# KiCad board poly_kb_wave_right2.kicad_pcb (continued)
## Routing (per net, layer and track width the routed paths; a pad name or vN(x,y) marks a point on that pad's centre or on a via; arc(x,y) is an arc through that point) (continued)
  Bottom w0.229: v2(4.87,73.78) 4.89,73.8 USB2.10 USB2.9 ; v2(4.87,70.38) 4.95,70.3 USB2.3 USB2.4 ; v3(23.46,101.67) 22.75,101.67 U10.19 22.75,98.35 v3(22.94,98.16) ; U9.4 28.53,109.27 v3(27.75,110.06)
  Bottom w0.254: v2(13.17,79.33) 12.2,78.83 12.2,78.22 J37.11 12.62,77.06 12.36,76.59 v2(11.68,76.33)
  Bottom w0.3: v2(116.31,79.43) 116.34,79.46 J19.1 ; v2(92.94,102.39) 92.97,102.36 C3_11.2 ; J4.1 97.29,119.94 v2(97.26,119.91) ; v2(131.04,78.57) 131.07,78.55 C3_20.2 131.07,76.82 v2(131.05,76.8) ; v2(111.1,120.7) 110.59,121.22 U18.3 ; v2(97.26,62.76) 97.29,62.79 J25.1 ; v2(58.59,120.69) 58.57,120.67 U13.3 57.02,120.67 56.8,120.89 56.8,121.9 56.88,121.97 U13.1 ; v2(152.9,85.95) 152.15,86.7 150.41,86.7 U5.17 ; v2(111.26,80.2) 112.01,80.2 C3_19.2 ; 75.6,124.24 75.6,123.92 75.93,123.59 U16.3 ; 75.6,124.24 v2(75.6,124.7) 75.8,124.89 U16.1 ; 75.6,124.24 74.33,124.24 ; v3(91.43,23.31) 91.48,23.25 93.4,23.25 v2(93.55,23.41) ; J31.1 42.44,29.68 v2(42.42,29.69) ; v2(111.41,99.49) 111.77,99.49 C3_12.2 ; C4_27.2 145.56,58.81 146.27,59.51 C1_27.2 147.04,59.53 v2(147.68,60.16) ; C3_22.2 32.75,51.45 v2(33.06,51.77) ; U14.3 50.31,120.67 v2(50.3,120.68) 50.3,121.7 50.57,121.97 U14.1 ; v2(154.85,97.63) 154.88,97.6 C3_14.2 ; 128.3,124 v2(129.4,124) ; 128.3,124 128.3,123.43 127.96,123.08 U20.3 ; 128.3,124 128.3,124.19 128.11,124.38 U20.1 ; J9.1 59.19,96.13 v2(59.16,96.1) ; J28.1 159.2,58.03 v2(159.17,58) ; C3_23.2 54.87,59.5 v2(54.84,59.53) ; v2(130.55,97.11) 130.8,96.86 C3_13.2 ; v2(52.43,117.31) 51.79,116.68 C1_1.2 51.02,116.66 50.31,115.96 C4_1.2 ; 117.01,124.41 117.01,123.81 116.28,123.08 U21.3 ; 117.01,124.41 116.99,124.38 U21.1 ; 117.01,124.41 v2(117.01,125) ; C2_16.2 55.86,80.62 v2(55.86,81.5) ; v1(86.13,117.58) 86.59,117.12 C1_3.2 88.89,118.08 88.89,118.6 ; C4_17.2 88.41,80.24 89.12,80.94 C1_17.2 89.89,80.96 v2(90.53,81.59) ; v2(90.53,100.64) 89.89,100.01 C1_10.2 89.12,99.99 88.41,99.29 C4_10.2 ; v2(135.36,58) 135.39,58.03 J27.1 ; v2(132.06,100.55) 132.06,99.67 C2_13.2 ; C4_26.2 126.51,61.19 127.22,61.89 C1_26.2 127.99,61.91 v2(128.63,62.54) ; v2(151.11,43.4) 151.11,42.52 C2_36.2 ; C4_9.2 69.36,96.91 70.07,97.61 C1_9.2 70.84,97.63 v2(71.48,98.26) ; v3(149.8,104.03) 149.86,104.09 149.86,106 149.55,106.31 v2(148.9,106.31) ; 103.61,23.21 102.8,23.21 v3(102.73,23.28) ; v2(111.99,119.06) 112.02,119.03 C3_5.2 ; v2(38.52,33.09) 38.73,32.24 C2_31.2 ; v2(146.47,119.92) 146.4,119.99 U22.3 147.03,121.05 147.1,121.13 147.1,122.28 147.03,122.35 U22.1 ; C2_25.2 93.96,66.33 v2(93.96,67.21) ; C3_1.2 35.82,116.65 v2(35.79,116.68) ; v2(171.49,117.64) 170.85,117 C1_7.2 170.08,116.99 169.38,116.29 C4_7.2 ; C4_5.2 126.51,118.34 127.22,119.04 C1_5.2 127.99,119.06 v2(128.63,119.69) ; v2(36.64,51.36) 36.67,51.4 J22.1 ; v2(132.06,43.4) 132.06,42.52 C2_35.2 ; C3_9.2 54.87,97.6 v2(54.84,97.63) ; C4_21.2 169.38,77.86 170.08,78.56 C1_21.2 170.85,78.58 v2(171.49,79.21) ; J17.1 78.24,79.46 v2(78.21,79.43) ; C2_24.2 74.91,63.95 v2(74.91,64.83) ; v2(113.01,45.78) 113.01,44.9 C2_34.2 ; v3(21.37,23.88) 21.37,23.27 J30.1 21.28,22.88 v2(20.52,22.88) ; J20.1 135.39,77.08 v2(135.36,77.05) ; C3_15.2 35.82,78.55 v2(35.79,78.58) ; C2_12.2 113.01,102.05 v2(113.01,102.93) ; J7.1 159.2,115.51 v2(159.17,115.48) ; v2(166.73,41.11) 166.09,40.48 C1_36.2 165.32,40.46 164.61,39.76 C4_36.2 ; 78.7,98.51 78.24,98.51 v2(78.21,98.48) ; v2(116.31,117.53) 116.34,117.56 J5.1 ; v2(32.17,57.3) 33.05,56.43 C2_22.2 ; J36.1 154.44,38.98 v2(154.41,38.95) ; v2(111.35,61.09) 111.4,61.15 C3_26.2 ; v2(73.89,119.06) 73.92,119.03 C3_3.2 ; 88.89,118.6 88.89,119.74 89.08,119.94 U19.3 89.51,122.24 H5.1 ; 88.89,118.6 88.92,118.64 U19.1 ; v2(7.15,81.75) 6.93,81.75 R5.1 5.35,84.25 v2(4.7,84.91) ; C3_27.2 131.07,59.5 v2(131.04,59.53) ; v2(73.89,80.96) 73.92,80.93 C3_17.2 ; v2(59.16,58) 59.19,58.03 J23.1 ; J21.1 159.2,77.08 v2(159.17,77.05) ; v2(113.01,83.88) 113.01,83 C2_19.2 ; C3_28.2 154.88,59.5 v2(154.85,59.53) ; v2(97.26,100.86) 97.29,100.89 J11.1 ; J15.1 40.14,77.08 v2(40.11,77.05) ; U17.1 73.68,124.89 74.33,124.24 ; v2(52.43,79.21) 51.79,78.58 C1_15.2 51.02,78.56 50.31,77.86 C4_15.2 ; C34.2 C33.2 19.73,86.18 v2(20.81,86.18) ; 110.59,118.97 v2(110.53,118.91) ; v2(113.01,121.98) 113.01,121.1 C2_5.2 ; v2(54.84,78.58) 54.87,78.55 C3_16.2 ; J1.1 40.14,115.18 v2(40.11,115.15) ; J8.1 40.14,96.13 v2(40.11,96.1) ; C3_7.2 154.88,116.98 v2(154.85,117) ; J24.1 78.24,60.41 v2(78.21,60.38) ; v2(159.17,96.1) 159.2,96.13 J14.1 ; C4_32.2 76.39,35.45 77.03,36.21 C1_32.2 77.8,36.29 v2(78.37,36.98) ; v2(74.91,121.98) 74.91,121.1 C2_3.2 ; v2(111.34,42.08) 111.36,42.1 C3_34.2 ; C2_9.2 55.86,99.67 v2(55.86,100.55) ; C2_20.2 132.06,80.62 v2(132.06,81.5) ; v2(109.58,103.02) 108.94,102.39 C1_11.2 108.17,102.38 107.46,101.67 C4_11.2 ; C4_14.2 169.38,96.91 170.08,97.61 C1_14.2 170.85,97.63 v2(171.49,98.26) ; C3_33.2 92.97,45.21 v2(92.94,45.24) ; C4_24.2 88.41,61.19 89.12,61.89 C1_24.2 89.89,61.91 v2(90.53,62.54) ; U18.1 111.5,125.91 v2(112,125.41) ; C4_33.2 107.46,44.52 108.17,45.23 C1_33.2 108.94,45.24 v2(109.58,45.87) ; v2(36.81,119.6) 36.81,118.72 C2_1.2 ; C4_13.2 145.56,96.91 146.27,97.61 C1_13.2 147.04,97.63 v2(147.68,98.26) ; 116.8,41.36 116.34,41.36 v2(116.31,41.33) ; C4_3.2 89.7,108.52 v2(90.76,107.45) ; v2(21.04,114.24) 21.04,114.24 U11.3 U11.8 ; C4_22.2 46.84,54.42 47.36,55.27 C1_22.2 48.11,55.46 v2(48.58,56.23) ; J32.1 66.32,33.79 v2(66.29,33.76) ; v2(93.9,48.18) 93.94,48.14 C2_33.2 ; v2(61.86,34.9) 61.89,34.87 C3_32.2 ; v2(78.21,117.53) 78.24,117.56 J3.1 ; C4_2.2 69.36,115.96 70.07,116.66 C1_2.2 70.84,116.68 v2(71.48,117.31) ; v2(23.76,87.94) 24.8,86.89 R30.1 ; v2(69.33,120.66) 69.35,120.67 U12.3 ; C3_25.2 92.97,64.26 v2(92.94,64.29) ; C2_26.2 113.01,63.95 v2(113.01,64.83) ; v1(7.28,98.08) 8.73,98.08 9.1,97.7 R25.1 ; J6.1 135.39,115.18 v2(135.36,115.15) ; v2(132.06,119.6) 132.06,118.72 C2_6.2 ; C2_23.2 55.86,61.57 v2(55.86,62.45) ; U7.17 101.65,22.71 101.65,21.77 ; U24.1 154.76,121.97 154.91,121.82 154.91,120.81 154.77,120.67 U24.3 154.28,120.13 154.48,119.92 v2(155.87,119.92) 155.87,119.05 C2_7.2 ; C2_15.2 35.86,80.61 v2(35.84,80.63) ; v2(92.92,104.47) 92.98,104.42 C2_11.2 ; v2(148.5,69.25) 149.15,69.25 149.85,68.56 149.85,67.1 v3(149.78,67.03) ; v2(71.48,79.21) 70.84,78.58 C1_16.2 70.07,78.56 69.36,77.86 C4_16.2 ; R15.2 v2(17.8,112.6) ; 147.04,40.48 C1_35.2 146.27,40.46 145.56,39.76 C4_35.2 ; v2(116.31,98.48) 116.34,98.51 116.8,98.51 ; C2_32.2 62.68,37.89 v2(62.25,38.32) ; U6.17 150.35,65.95 153.25,65.95 v2(153.4,66.1) ; U10.57 21.75,102.35 22.44,101.67 v3(23.46,101.67) 23.46,101.71 24,102.25 24,102.95 23.95,103.01 U10.57 ; U25.1 158.14,121.97 158.79,121.32 v2(158.79,120.69) 158.77,120.67 U25.3 ; v2(135.36,96.1) 135.39,96.13 J13.1 ; v2(52.43,98.26) 51.79,97.63 C1_8.2 51.02,97.61 50.31,96.91 C4_8.2 ; v2(150.53,40.48) 150.12,40.06 C3_36.2 ; v2(97.26,81.81) 97.29,81.84 J18.1 ; v2(35.85,97.56) 35.82,97.53 C3_8.2 ; C4_4.2 107.46,120.72 108.17,121.43 C1_4.2 108.94,121.48 v2(109.53,122.07) ; v3(13.28,44.53) 13.28,43.9 J29.1 13.15,43.52 v2(12.51,43.52) ; v2(131.11,40.45) 131.07,40.41 C3_35.2 131.07,39.09 v2(131.4,38.75) ; C3_10.2 v2(73.1,99.25) ; v2(149.6,90.05) 149.91,89.75 149.91,87.86 v3(149.83,87.78) ; C3_6.2 131.04,115.94 v2(130.17,115.94) ; v2(116.31,60.38) 116.34,60.41 J26.1 ; v2(97.26,43.71) 97.29,43.74 J33.1 ; v2(55.86,119.6) 55.86,118.72 C2_2.2 ; 135.2,121.05 135.2,121.91 134.76,122.35 U23.1 ; 135.2,121.05 U23.3 ; 135.2,121.05 v2(135.2,119.91) ; v2(54.25,34.51) 53.78,33.75 C1_31.2 53.03,33.56 52.51,32.71 C4_31.2 ; v2(128.63,100.64) 127.99,100.01 C1_12.2 127.22,99.99 126.51,99.29 C4_12.2 ; C4_19.2 126.51,80.24 127.22,80.94 C1_19.2 127.99,80.96 v2(128.63,81.59) ; v2(155.87,62.45) 155.87,61.57 C2_28.2 ; v2(171.49,60.21) 170.85,59.57 C1_28.2 170.08,59.51 169.38,58.81 C4_28.2 ; v2(12.95,86.88) 12.71,86.64 C2.2 C32.1 13.78,86.46 v2(14.16,86.84) ; C2_21.2 155.87,80.62 v2(155.87,81.5) ; C3_30.2 16.52,22.86 v2(16.48,22.88) ; v2(155.87,100.57) 155.87,99.67 C2_14.2 ; v2(74.91,83.88) 74.91,83 C2_17.2 ; C2_27.2 132.06,61.57 v2(132.06,62.45) ; v2(135.36,38.95) 135.39,38.98 J35.1 ; v2(154.4,103.35) 154,102.96 150.36,102.96 U4.17 ; v2(71.48,60.16) 70.84,59.53 C1_23.2 70.07,59.51 69.36,58.81 C4_23.2 ; 90.35,21.81 90.35,22.75 U8.17 ; v2(59.16,77.05) 59.19,77.08 J16.1 ; H7.1 150.18,80.68 148.4,82.46 146.32,82.46 145.07,83.7 C1_20.2 ; C2_8.2 36.81,99.67 v2(36.81,100.55) ; C4_18.2 107.46,82.62 108.17,83.33 C1_18.2 108.94,83.34 v2(109.58,83.97) ; v2(23.79,49.82) 23.41,49.01 C1_29.2 22.69,48.73 22.27,47.83 C4_29.2 ; 74.33,124.24 73.68,123.59 U17.3 ; C3_4.2 93.25,116.58 v2(93.28,116.56) ; U15.1 37.7,121.97 37.6,121.87 37.6,121 37.94,120.67 U15.3 39.14,120.67 v2(39.16,120.69) ; C3_24.2 73.92,61.88 v2(73.89,61.91) ; C3_2.2 54.87,116.65 v2(54.84,116.68) ; v2(38.22,30.01) 38.25,29.99 C3_31.2 ; C4_25.2 107.46,63.57 108.17,64.28 C1_25.2 108.94,64.29 v2(109.58,64.92) ; C2_18.2 93.96,85.38 v2(93.96,86.26) ; J2.1 59.19,115.18 v2(59.16,115.15) ; v2(31.9,29.17) 31.52,28.35 C1_30.2 30.8,28.08 30.38,27.18 C4_30.2 ; v2(8.33,46.63) 8.63,45.8 C2_29.2 ; C2_10.2 74.91,102.05 v2(74.91,102.93) ; v2(8.37,43.54) 8.41,43.52 C3_29.2 ; v2(128.63,43.49) 127.99,42.86 C1_34.2 127.22,42.84 126.51,42.14 C4_34.2 ; v2(147.85,117.6) 147.04,116.79 C1_6.2 146.27,116.66 145.56,115.96 C4_6.2 ; v2(155.06,78.56) 154.88,78.38 C3_21.2 ; v2(16.44,25.97) 16.74,25.15 C2_30.2 ; v2(92.94,83.34) 92.97,83.31 C3_18.2 ; DBG3.1 180.63,73.32 180.63,73.78 180.5,73.91 180.5,78.9 180.63,79.03 180.63,81.58 180.5,81.71 180.5,86.7 180.63,86.83
  Bottom w0.4: C8.1 Y1.4 23.3,94.05 ; C8.1 v3(22.21,92.69) ; C8.1 23.97,92.69 v3(23.99,92.7) ; 25,95.75 Y1.2 25.3,97.16 24.63,97.16 C3.1
  Bottom w0.5: C4_25.2 106.16,62.83 v1(105.2,62.83) ; v1(124.25,98.55) 125.21,98.55 C4_12.2 ; v1(167.11,115.55) 168.08,115.55 C4_7.2 ; C4_8.2 49.01,96.16 v1(48.05,96.16) ; v1(167.11,58.07) 168.08,58.07 C4_28.2 ; C4_21.2 168.08,77.11 v1(167.11,77.11) ; v1(105.2,43.78) 106.16,43.78 C4_33.2 ; C4_16.2 68.06,77.11 v1(67.1,77.11) ; C4_34.2 125.21,41.4 v1(124.25,41.4) ; C4_29.2 21.3,46.69 v1(20.39,46.35) ; v1(15.45,115.16) 15.4,115.1 ; C4_17.2 87.11,79.5 v1(86.15,79.5) ; C4_26.2 125.21,60.45 v1(124.25,60.45) ; v1(48.05,77.11) 49.01,77.11 C4_15.2 ; v1(86.15,60.45) 87.11,60.45 C4_24.2 ; v1(124.25,79.5) 125.21,79.5 C4_19.2 ; C4_13.2 144.26,96.16 v1(143.3,96.16) ; 25,95.75 23.3,94.05 ; C4_5.2 125.21,117.6 v1(124.25,117.6) ; v1(162.35,39.01) 163.31,39.01 C4_36.2 ; C4_4.2 106.16,119.98 v1(105.2,119.98) ; C4_35.2 144.26,39.01 v1(143.3,39.01) ; C4_2.2 68.06,115.21 v1(67.1,115.21) ; v1(48.05,115.21) 49.01,115.21 C4_1.2 ; v1(44.81,53.17) 45.75,53.39 C4_22.2 ; C4_31.2 51.42,31.68 v1(50.48,31.45) ; C4_14.2 168.08,96.16 v1(167.11,96.16) ; v1(105.2,81.88) 106.16,81.88 C4_18.2 ; R24.2 4.5,116.41 ; C4_30.2 29.41,26.03 v1(28.5,25.7) ; v1(67.1,96.17) 68.07,96.17 C4_9.2 ; v1(143.3,58.06) 144.26,58.06 C4_27.2 ; C4_10.2 87.12,98.55 v1(86.15,98.55) ; C4_20.2 144.26,77.11 v1(143.3,77.11) ; C4_32.2 75.16,34.6 v1(74.19,34.51) ; C4_6.2 144.26,115.21 v1(143.3,115.21) ; v1(67.1,58.07) 68.07,58.07 C4_23.2 ; v1(105.2,100.93) 106.16,100.93 C4_11.2 ; 12.74,95.03 DBG1.2 ; 7.28,97.89 v1(7.28,98.08) 6.77,97.57 C14.2
  Bottom w0.6: FB2.2 5.88,60.06 ; 4.29,98.27 4.67,98.27 4.74,98.34 ; 4.29,98.27 4.29,97.4 v1(4.17,97.28) ; 4.29,98.27 3.09,98.27 ; 4.29,98.27 4.48,98.08 ; 24.23,117.98 24.23,114.91 v1(24.22,114.9) ; 24.23,117.98 26.94,117.98 28.27,119.31 28.27,120.83 v1(28.23,120.86) ; 24.23,117.98 USB1.12 ; 4.5,116.41 H9.1 4.5,116.36 3.3,115.16 3.3,113.25 ; C12.2 7.59,102.97 v1(8.8,104.18) ; C12.2 5.43,102.97 4.74,102.27 4.74,98.34 ; C12.2 5.54,102.97 4.7,103.81 4.7,106.5 ; 4.7,106.5 v1(4.7,105.06) ; 4.7,106.5 4.7,110 3.3,111.41 3.3,113.25 ; USB2.1 7.68,68.82 v1(8.23,68.27) ; 15.4,115.1 v1(13.1,115.1) ; USB2.12 8.02,75.27 v1(8.26,75.52) ; 4.74,98.34 4.48,98.08 ; 4.48,98.08 v1(7.28,98.08) ; 3.3,113.25 v1(2.7,113.25) ; v1(17.59,114.87) 17.78,115.06 USB1.1
  vias: v1(3.24,72.17) v1(5.91,60.03) v2(0.8,97.7) v2(0.8,90.41) v2(0.79,79.94) v2(0.85,100.91) v2(0.85,88.38) v2(1,114.85) v2(1,110.66) v2(1,106.45) v2(1.45,59.7) v2(2.88,45.25) v2(5.3,90.41) v2(6,111.1) v2(7.98,31.52) v2(8.4,124) v2(10.1,97.95) v2(10.1,92.5) v2(10.3,108.95) v2(10.5,83.6) v2(10.45,79.95) v2(11.05,51.05) v2(12.44,40.15) v2(12.77,17.25) v2(13.1,102.25) v2(13.4,90.51) v2(13.5,124.81) v2(13.55,74.16) v2(13.8,47.94) v2(15.55,60.39) v2(15.77,111.12) v2(15.79,82.67) v2(17.3,78.17) v2(17.27,33.94) v2(17.46,41.98) v2(18.26,73.89) v2(19.61,75.25) v2(19.64,66.31) v2(20.55,19.5) v2(21.2,124.6) v2(21.91,27.29) v2(25.38,13.28) v2(25.57,21.32) v2(27.2,42.05) v2(27.97,50.61) v2(28.57,48.85) v2(31.75,20.78) v2(31.97,125.64) v2(32.5,92.8) v2(32.5,89.1) v2(32.5,78.55) v2(32.55,6.63) v2(33.6,107.7) v2(35.2,35.55) v2(36.21,47.9) v2(38.36,57.74) v2(38.46,112.1) v2(38.46,93.05) v2(38.46,74) v2(40.3,41.18) v2(40.87,104.94) v2(40.87,85.68) v2(40.87,66.9) v2(41.39,49.15) v2(41.69,25.66) v2(42.39,118.96) v2(42.39,99.91) v2(42.39,80.86) v2(43.35,126.48) v2(43.52,93.05) v2(43.79,112.1) v2(43.79,74) v2(44.11,33.78) v2(45.97,19.47) v2(46.87,108.73) v2(46.88,70.33) v2(47.07,27.44) v2(47.23,10.59) v2(47.74,47.72) v2(49.22,89.86) v2(52.3,88.7) v2(52.56,81.75) v2(53.66,127.14) v2(53.94,21.38) v2(56.15,27.66) v2(57.25,19.81) v2(57.51,112.1) v2(57.51,92.85) v2(57.51,74) v2(57.51,54.95) v2(59.59,66.96) v2(59.82,14.23) v2(59.92,86.09) v2(59.92,47.46) v2(60.01,104.94) v2(60.05,24.95) v2(61.44,118.96) v2(61.44,99.91) v2(61.44,81.01) v2(61.44,61.81) v2(62.84,112.1) v2(62.84,93.05) v2(62.84,74) v2(62.84,54.95) v2(64.91,30.58) v2(66.01,127.88) v2(65.96,89.86) v2(66.25,108.88) v2(67.5,22.74) v2(67.98,71.22) v2(68.23,37.75) v2(70.22,31.04) v2(71.99,83.97) v2(72,14.85) v2(76.56,114.49) v2(76.56,95.44) v2(76.56,76.39) v2(76.56,57.34) v2(77.69,127.88) v2(78.57,69.4) v2(78.82,88.63) v2(78.97,107.48) v2(79.07,50.2) v2(79.35,25.98) v2(80,20.66) v2(80.49,121.34) v2(80.49,102.29) v2(80.49,83.24) v2(80.49,64.19) v2(81.86,114.49) v2(81.89,95.44) v2(81.89,76.39) v2(81.89,57.34) v2(82.73,15.79) v2(84.71,27.17) v2(85.11,108.08) v2(85.19,92.17) v2(85.16,19.31) v2(87.13,54.77) v2(87.37,73.81) v2(91.03,86.34) v2(94.7,20.45) v2(95.61,128.09) v2(95.61,97.82) v2(95.61,78.77) v2(95.61,59.72) v2(95.61,40.67) v2(96.33,15.98) v2(96.94,72.04) v2(97.05,27.5) v2(97.88,109.99) v2(97.96,90.97) v2(98.02,52.65) v2(98.02,33.17) v2(98.05,19.15) v2(99.54,123.72) v2(99.54,104.67) v2(99.54,85.62) v2(99.54,66.57) v2(99.54,47.52) v2(100.94,116.87) v2(100.94,97.82) v2(100.94,78.77) v2(100.94,59.72) v2(100.94,40.67) v2(102.85,29.1) v2(104.48,113.5) v2(104.6,20.1) v2(104.78,94.92) v2(105.73,22.85) v2(106.17,75.91) v2(106.51,114.29) v2(106.47,56.83) v2(107.17,128.26) v2(109.1,17.31) v2(111.01,25.56) v2(111.35,86.2) v2(114.66,114.49) v2(114.66,95.44) v2(114.66,76.39) v2(114.66,57.34) v2(114.66,38.29) v2(116.2,23.13) v2(116.65,69.53) v2(116.96,108.16) v2(116.96,88.67) v2(117.11,127.6) v2(117.12,50.42) v2(117.07,30.79) v2(118.59,121.56) v2(118.59,102.29) v2(118.59,83.24) v2(118.59,64.19) v2(118.59,45.14) v2(119.99,114.49) v2(119.99,95.44) v2(119.99,76.39) v2(119.99,57.34) v2(119.99,38.29) v2(120.1,25.56) v2(123.14,18.81) v2(125.31,111.84) v2(125.45,73.81) v2(125.5,54.69) v2(129.16,126.57) v2(129.65,23.06) v2(130.61,83.6) v2(132.19,102.83) v2(133.71,112.1) v2(133.71,93.05) v2(133.71,74) v2(133.71,54.95) v2(133.71,35.9) v2(135.41,67.22) v2(135.55,105.6) v2(135.91,86.24) v2(136.12,47.46) v2(136.12,28.41) v2(136.81,19) v2(137.64,99.91) v2(137.64,80.86) v2(137.64,61.81) v2(137.64,42.76) v2(137.83,118.58) v2(138.62,74.14) v2(139.04,112.1) v2(139.04,93.05) v2(139.04,54.95) v2(139.04,35.9) v2(140.91,125.5) v2(144.37,47.41) v2(144.82,90.72) v2(144.8,71) v2(144.78,23.03) v2(147.8,109.95) v2(148,92.6) v2(147.95,51) v2(149.2,96.7) v2(149.6,92.6) v2(149.75,30.55) v2(150.4,108.66) v2(151.15,50.91) v2(151.25,58.2) v2(151.82,97.06) v2(152.17,124.41) v2(152.35,109) v2(152.7,84.16) v2(152.76,35.9) v2(153,44.5) v2(153.1,49.41) v2(155.17,28.41) v2(155.55,19) v2(156.69,42.76) v2(157.23,23.44) v2(157.52,112.43) v2(157.52,93.05) v2(157.52,74) v2(157.52,54.95) v2(158.09,35.9) v2(159.66,48.14) v2(159.93,104.94) v2(159.93,85.56) v2(159.93,66.51) v2(161.46,80.86) v2(161.46,61.81) v2(162.04,99.36) v2(162.07,118.39) v2(162.85,112.43) v2(162.85,93.05) v2(162.85,74) v2(162.85,54.95) v2(163.44,123.2) v2(166.57,31.59) v2(167.09,19.94) v2(167.87,52.12) v2(168.07,109.88) v2(168.1,90.13) v2(170.75,82.05) v2(170.76,35.23) v2(174.72,29.75) v2(175.25,96.56) v2(175.25,89.3) v2(180,103.31) v2(180,96.56) v2(180.03,89.27) v2(180,41.59) v2(180.12,71.22) v2(180.15,58.63) v3(10.81,60.16) v3(15,99.92) v3(15.03,96.19) v3(15.02,93.67) v3(15.05,112.44) v3(15.13,109.31) v3(15.13,107.58) v3(15.08,105.7) v3(15.07,103.75) v3(15.33,118.88) v3(15.37,124.91) v3(17.72,92.69) v3(17.92,99.86) v3(18.21,107.6) v3(19.2,94.42) v3(19.2,92.94) v3(19.26,95.85) v3(19.49,91.72) v3(20.29,96.16) v3(20.28,95) v3(20.26,93.75) v3(20.28,92.49) v3(20.44,90.77) v3(20.49,98.91) v3(20.47,97.91) v3(21,84.3) v3(21.05,91.72) v3(21.42,99.28) v3(21.44,98.22) v3(21.5,89.83) v3(21.8,109.42) v3(21.86,90.99) v3(22.38,96.97) v3(22.96,89.85) v3(23.08,90.95) v3(23.1,82.6) v3(23.61,98.88) v3(23.71,98.07) v3(24.3,90.99) v3(24.48,89.81) v3(24.76,80.77) v3(24.95,98.88) v3(24.95,98.07) v3(25.15,111.16) v3(25.5,91.27) v3(25.76,97.51) v3(26,98.78) v3(25.98,90.13) v3(26.49,92.08) v3(26.55,111.2) v3(26.63,96.69) v3(26.72,100.72) v3(26.74,98.12) v3(26.65,95.13) v3(26.67,93.66) v3(26.93,91.1) v3(27.35,115.95) v3(27.35,112) v3(27.35,85.02) v3(27.63,97.31) v3(27.63,94.22) v3(27.7,107.16) v3(27.7,95.88) v3(27.65,92.34) v3(28.25,112.91) v3(28.65,110.91) v3(29.4,75.2) v3(29.45,111.7) v3(29.45,104.2) v3(29.6,114.1) v3(31.1,95.1) v3(32.6,64.1) v3(33.5,116.1) v3(84.95,31.25) v3(85.95,33.05) v3(88.55,34.55) v3(89.8,23.31) v3(89.8,22.7) v3(91.25,35.1) v3(91.43,22.7) v3(101.08,23.28) v3(101.08,22.66) v3(102.73,22.66) v3(149.78,102.38) v3(149.83,86.13) v3(149.75,65.38) v3(150.43,104.03) v3(150.43,102.38) v3(150.43,67.03) v3(150.43,65.38) v3(150.48,87.78) v3(150.48,86.13)
VBAT: length 1147.9
  Top w0.5: v1(98,46.58) 98.24,46.58 98.29,46.64 ; v1(98,46.58) 97.95,46.64 92.03,46.64 90.4,45 77.62,45 69.32,36.71 68.2,36.71 ; v1(98,46.58) 98.06,46.64 99.4,46.64 ; v1(117.05,101.35) 113.05,101.35 110.61,103.79 100.81,103.79 99.73,102.71 99.37,102.71 v1(98.09,103.99) ; v1(117.05,101.35) 117.1,101.4 118.45,101.4 ; v1(117.05,101.35) 117.29,101.35 117.34,101.4 ; 161.45,78.89 161.29,78.89 v1(160.01,80.17) ; LED12.1 118.41,101.37 118.45,101.4 ; 42.2,118.07 42.21,118.06 LED1.1 ; 42.2,118.07 v1(41.14,118.07) 36.46,113.39 36.46,106.16 37.74,104.89 37.74,98.97 ; 42.2,118.07 59.02,118.07 59.4,118.45 v1(60.3,118.45) 60.62,118.45 ; LED32.1 68.23,36.68 68.2,36.71 ; 99.45,65.69 99.36,65.6 LED25.1 ; 99.45,65.69 114.72,65.69 v1(117.15,63.25) ; 99.45,65.69 v1(98.29,65.69) 90.26,65.69 87.88,63.3 80.3,63.3 ; 137.45,41.87 v1(136.39,41.87) 132.48,41.87 130.15,44.2 130.15,44.25 118.4,44.25 ; 137.45,41.87 147.85,41.87 148.03,42.05 157.1,42.05 ; 137.45,41.87 137.46,41.86 LED35.1 ; LED26.1 118.3,62.34 118.3,63.3 ; 43.16,32.58 32.43,30.08 31.16,29.71 23.4,26.89 22.76,25.5 22.42,25.38 21.11,25.99 ; 43.16,32.58 43.1,32.62 ; 43.16,32.58 44.4,31.83 44.75,31.91 45.55,33.21 53.58,35.14 54.38,35.33 61.92,36.25 67.13,36.71 ; 42.25,99.02 42.21,98.99 LED8.1 ; 42.25,99.02 v1(41.14,99.02) 41.09,98.97 37.74,98.97 ; 42.25,99.02 v1(60.19,99.02) 61.35,99.02 ; 137.45,60.92 136.26,60.92 v1(136.2,60.87) ; 137.45,60.92 137.46,60.91 LED27.1 ; 137.45,60.92 v1(160.21,60.92) 161.29,59.84 161.45,59.84 ; 80.25,101.4 80.31,101.34 LED10.1 ; 80.25,101.4 88.05,101.4 90.38,103.73 97.83,103.73 v1(98.09,103.99) ; 80.25,101.4 79.24,101.4 ; 33.99,57.8 33.99,57.62 35.5,56.1 36.15,56.1 ; 33.99,57.8 33.99,57.54 32.55,56.1 32.55,54.82 30.15,52.42 23.05,50.37 15.29,47.54 14.65,46.16 13.48,46.16 13,46.65 ; 33.99,57.8 33.99,79.92 ; 37.43,54.33 37.38,54.38 v1(37.2,54.38) ; v1(117.15,63.25) 117.21,63.3 118.3,63.3 ; v1(117.15,63.25) 117.29,63.25 117.34,63.3 ; 21.11,25.99 14.81,29.07 10.04,40.83 11.08,45.72 13,46.65 ; 21.11,25.99 21.04,26.02 ; 137.5,79.97 144.49,79.97 147.36,82.84 153.46,82.84 156.14,80.17 v1(160.01,80.17) ; 137.5,79.97 137.46,79.94 LED20.1 ; 137.5,79.97 v1(136.39,79.97) 132.19,79.97 129.81,82.35 118.55,82.35 ; 157.1,42.05 156.5,42.05 ; 157.1,42.05 159.25,42.05 159.45,41.86 172.04,41.86 DBG3.10 ; v1(136.2,60.87) 136.34,60.87 136.39,60.92 ; v1(136.2,60.87) 132.43,60.87 130,63.3 118.3,63.3 ; 79.24,101.4 v1(79.02,101.62) ; 79.24,101.4 v1(79.02,101.62) ; v1(79.02,101.62) 71.95,101.62 69.35,99.02 61.35,99.02 ; LED15.1 42.21,79.94 42.25,79.97 ; 36.15,56.1 44.62,56.1 44.65,56.07 ; 36.15,56.1 37.2,56.1 ; 118.45,101.4 134.01,101.4 v1(136.39,99.02) 137.45,99.02 ; 13,46.65 12.93,46.68 ; 80.3,82.35 v1(79.24,82.35) 71.82,82.35 69.44,79.97 61.25,79.97 ; 80.3,82.35 80.31,82.34 80.31,81.28 ; 80.3,82.35 87.83,82.35 90.39,84.92 v1(98.11,84.92) ; LED3.1 79.24,120.45 79.24,120.45 v1(79.02,120.67) 78.8,120.45 72.2,120.45 69.82,118.07 61,118.07 60.62,118.45 ; 42.25,79.97 41.14,79.97 ; 42.25,79.97 v1(60.19,79.97) 61.25,79.97 ; 41.14,79.97 v1(40.96,80.16) ; 41.14,79.97 v1(40.96,80.16) ; 160.21,118.4 160.15,118.35 v1(160,118.35) ; 99.4,46.64 110.97,46.64 113.16,44.45 v1(117.15,44.45) ; 99.4,46.64 99.36,46.6 LED33.1 ; 118.55,82.35 v1(117.34,82.35) 114.96,84.74 99.35,84.74 ; 118.55,82.35 118.55,81.41 118.41,81.28 ; 161.45,117.32 161.03,117.32 v1(160,118.35) ; 37.2,56.1 v1(37.2,54.38) ; 37.2,56.1 37.24,56.07 44.65,56.07 ; v1(37.2,54.38) 37.2,54.58 ; v1(37.2,54.38) 38.03,53.55 38.7,53.55 LED22.1 ; 37.74,98.97 36.26,98.97 31.28,93.99 31.28,82.62 33.99,79.92 ; 61.25,79.97 61.26,79.96 LED16.1 ; 44.65,56.07 47.9,56.85 61.44,59.84 ; 118.4,44.25 118.41,44.24 LED34.1 ; 118.4,44.25 117.34,44.25 ; 60.62,118.45 61.26,117.81 LED2.1 ; 116.9,120.4 117.25,120.4 v1(117.5,120.65) 117.7,120.45 118.5,120.45 ; 116.9,120.4 112.85,120.4 110.41,122.84 100.44,122.84 99.9,122.3 98.55,122.3 98.35,122.09 ; 116.9,120.4 118.45,120.4 118.5,120.45 ; 61.44,59.84 61.27,59.84 v1(59.93,61.18) 60.19,60.92 ; 61.44,59.84 62.52,60.92 68.9,60.92 71.28,63.3 78.95,63.3 v1(79,63.25) 79.06,63.3 80.3,63.3 ; v1(160,118.35) 147.44,118.35 147.17,118.07 138.91,118.07 137.84,116.99 137.47,116.99 v1(136.39,118.07) 132.07,118.07 129.68,120.45 118.5,120.45 ; 99.35,84.74 99.36,84.72 LED18.1 ; 99.35,84.74 98.29,84.74 ; v1(160.01,80.17) 160.21,79.97 ; 33.99,79.92 40.72,79.92 v1(40.96,80.16) ; 118.5,120.45 118.41,120.37 LED5.1 ; 68.2,36.71 67.13,36.71 ; 80.3,63.3 80.31,63.29 LED24.1 ; v1(98.11,84.92) 98.29,84.74 ; v1(98.11,84.92) 98.29,84.74 ; 161.45,97.94 160.83,97.94 v1(159.8,98.97) 159.75,99.02 137.45,99.02 ; 156.5,42.05 156.51,42.04 LED36.1 ; 156.5,42.05 v1(155.65,42.05) 155.47,41.87 ; 98.35,122.09 98.6,122.35 98.6,122.85 v1(98.35,123.1) 98.35,122.89 98.29,122.84 ; 98.35,122.09 96.3,120.05 85.4,120.05 85,120.45 81.76,120.45 80.69,119.38 80.32,119.38 ; v1(117.15,44.45) 117.34,44.25 ; v1(117.15,44.45) 117.34,44.25 ; LED13.1 137.46,99.01 137.45,99.02 ; v1(98.09,103.99) 98.29,103.79 ; LED9.1 61.26,98.94 61.35,99.02 ; 67.13,36.71 67.07,36.76
  Bottom w0.3: J19.6 119.3,80.75 117.7,82.35 v1(117.34,82.35) 116.71,82.99 C2_19.1 ; C2_27.1 135.51,61.56 v1(136.2,60.87) 136.45,60.87 138.35,58.96 J27.6 ; J36.6 157.4,40.3 v1(155.65,42.05) 155.2,42.51 C2_36.1 ; J33.6 100.25,45.2 98.87,46.58 v1(98,46.58) 97.31,47.27 C2_33.1 ; C2_21.1 159.57,80.61 v1(160.01,80.17) 160.44,80.17 162.17,78.44 J21.6 ; J16.6 62.15,78.01 v1(60.19,79.97) 59.56,80.61 C2_16.1 ; J35.6 138.35,40.35 136.83,41.87 v1(136.39,41.87) 135.76,42.51 C2_35.1 ; J18.6 100.25,83.25 98.59,84.92 v1(98.11,84.92) 97.66,85.37 C2_18.1 ; C2_26.1 116.46,63.94 v1(117.15,63.25) 117.4,63.25 119.3,61.35 J26.6 ; C2_34.1 116.71,44.89 v1(117.15,44.45) 117.66,44.45 119.3,42.8 119.3,41.36 ; J15.6 43.1,78.45 41.39,80.16 v1(40.96,80.16) 40.51,80.61 C2_15.1 ; J31.6 45.46,31.17 42.33,33.09 C2_31.1 ; J6.6 138.35,116.11 v1(136.39,118.07) 135.76,118.71 C2_6.1 ; 81.2,98.51 81.2,99.6 79.18,101.62 v1(79.02,101.62) 78.61,102.04 C2_10.1 ; J3.6 81.2,119.15 79.68,120.67 v1(79.02,120.67) 78.61,121.09 C2_3.1 ; 119.3,98.51 119.3,99.7 117.65,101.35 v1(117.05,101.35) 116.36,102.04 C2_12.1 ; J28.6 162.17,58.96 v1(160.21,60.92) 159.57,61.56 C2_28.1 ; C2_1.1 40.51,118.71 v1(41.14,118.07) 43.1,116.11 J1.6 ; C2_22.1 36.66,54.8 37.49,54.29 ; J5.6 119.3,118.85 v1(117.5,120.65) 117.06,121.09 C2_5.1 ; C2_23.1 59.56,61.56 v1(59.93,61.18) 60.27,61.18 62.15,59.3 J23.6 ; J29.6 15.44,45.51 12.11,47.06 C2_29.1 ; J13.6 138.35,97.06 v1(136.39,99.02) 135.76,99.66 C2_13.1 ; C2_25.1 97.66,66.32 v1(98.29,65.69) 98.77,65.69 100.25,64.2 J25.6 ; 39.88,52.5 39.75,53.05 37.45,54.45 ; 39.88,52.5 39.79,52.89 ; 39.88,52.5 J22.6 ; J32.6 69.19,34.98 66.38,37.33 C2_32.1 ; C2_7.1 159.31,119.04 v1(160,118.35) 160.75,118.35 162.17,116.93 J7.6 ; J17.6 81.2,80.9 79.75,82.35 v1(79.24,82.35) 78.61,82.99 C2_17.1 ; C2_24.1 78.31,63.94 v1(79,63.25) 79.7,63.25 81.2,61.75 J24.6 ; C2_11.1 97.66,104.42 v1(98.09,103.99) 98.46,103.99 100.25,102.2 J11.6 ; C2_2.1 60.04,118.71 v1(60.3,118.45) 62.15,116.6 J2.6 ; J30.6 23.55,24.85 20.22,26.4 C2_30.1 ; J4.6 100.25,121.2 v1(98.35,123.1) 97.98,123.47 95.49,123.47 ; C2_14.1 159.11,99.66 v1(159.8,98.97) 160.53,98.97 162.17,97.33 J14.6 ; C2_9.1 59.56,99.66 v1(60.19,99.02) 60.63,99.02 62.15,97.5 J9.6 ; J20.6 138.35,78.55 136.93,79.97 v1(136.39,79.97) 135.76,80.61 C2_20.1 ; C2_8.1 40.51,99.66 v1(41.14,99.02) 43.1,97.06 J8.6
  Bottom w0.5: JP1.2 8.04,89.64 6.5,88.1 6.5,85.41 10.11,81.8 37.98,81.8 38.34,81.44 C2_15.1
  vias: v1(12.8,46.65) v1(21,26.05) v1(43.05,32.65) v1(67,36.75)
